# KiCad board norns_fork.kicad_pcb
title: Norns Syst Hat; date: 2022-06-17; rev: V2; company: Les Usines - Damien Skoraki
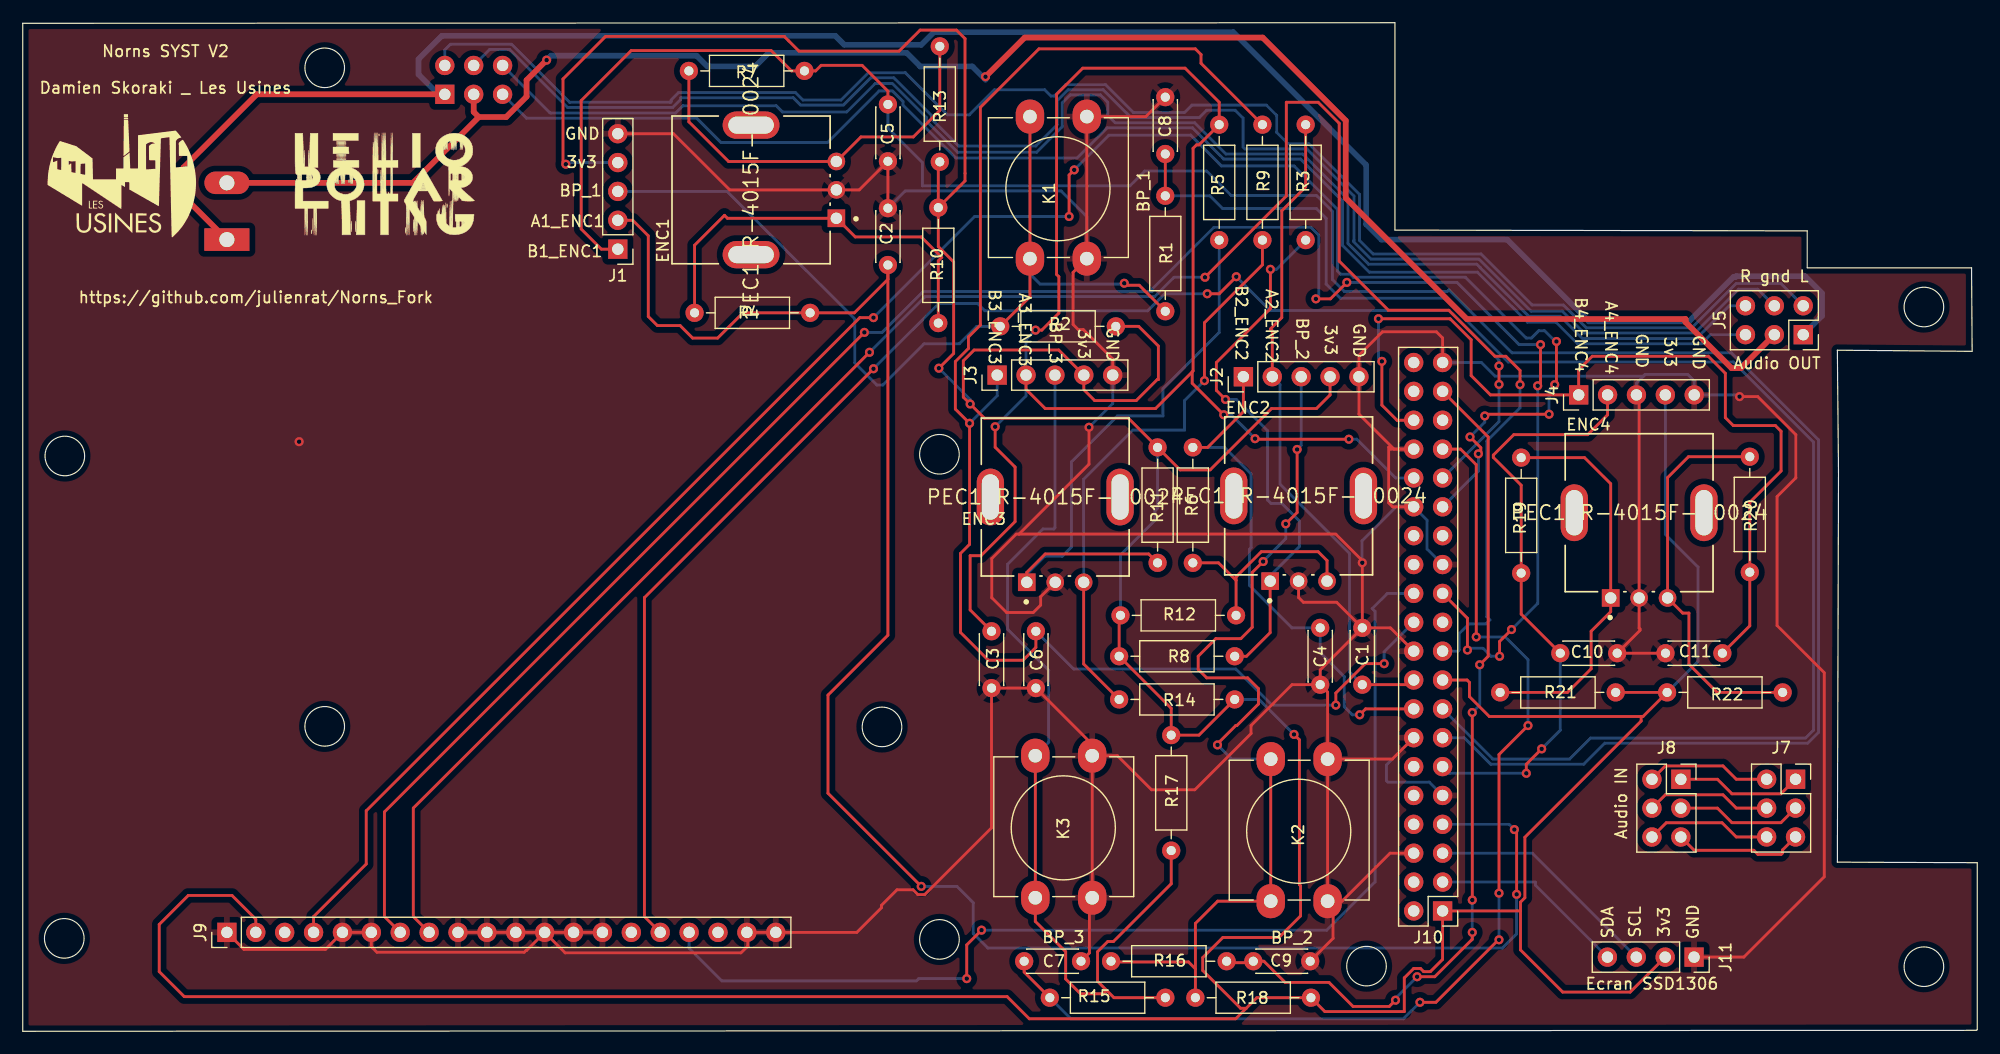
[diagram p0: board, top side]
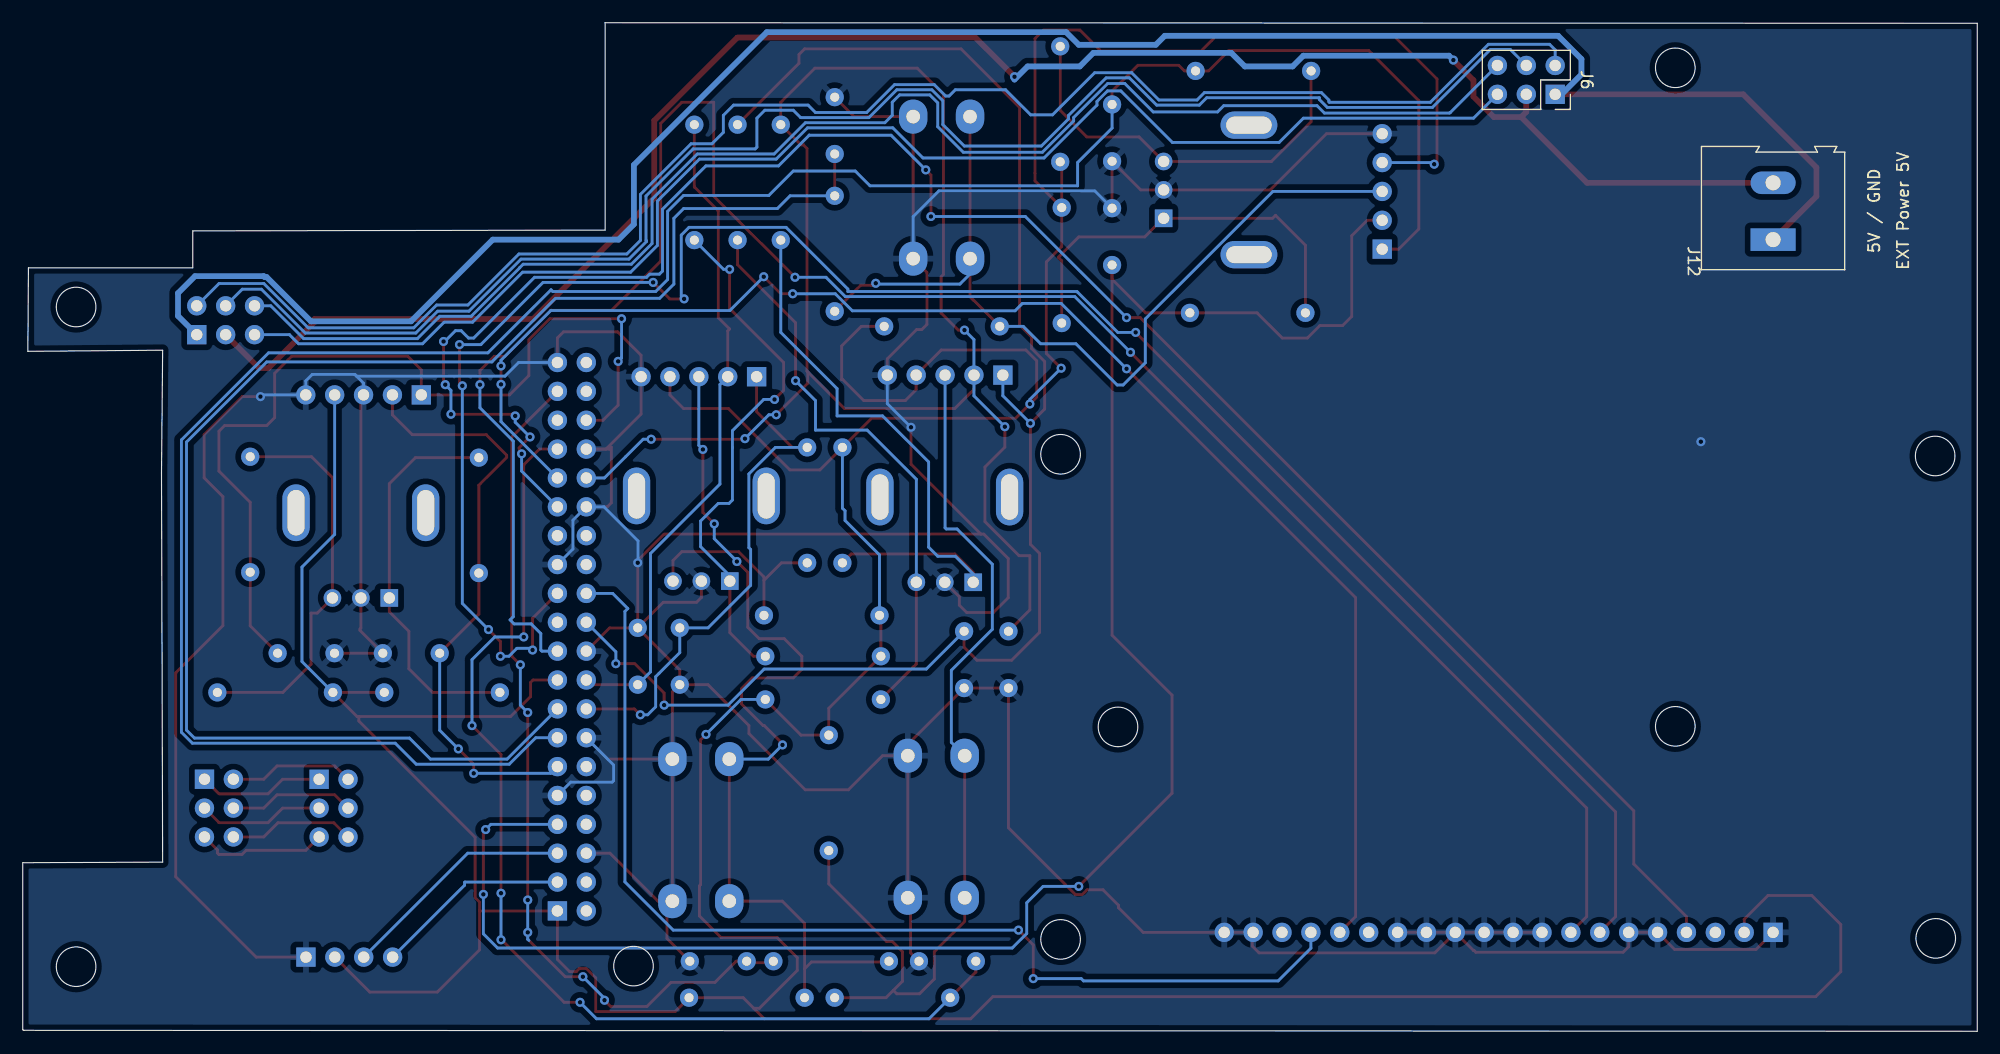
[diagram p1: board, bottom side, seen from below]

Outline 171.85 x 88.75 mm; copper layers: Top, Bottom. Coordinates in mm from the lower left corner of the outline.
Outline path: circle c3.65,8.17 r1.74 ; circle c3.7,50.62 r1.74 ; circle c26.55,84.78 r1.74 ; circle c26.55,26.83 r1.74 ; circle c75.55,26.78 r1.74 ; circle c80.6,50.77 r1.74 ; circle c80.6,8.08 r1.74 ; circle c118.15,5.73 r1.74 ; circle c167.16,63.73 r1.74 ; circle c167.16,5.68 r1.74 ; 0,88.7 120.65,88.75 120.65,70.5 156.9,70.43 156.9,67.18 171.35,67.18 171.4,59.83 159.55,59.93 159.65,49.13 159.55,14.88 171.85,14.83 171.85,0.13 171.75,0.08 0,0 0,88.7

## Placement (name value [footprint] x y rotation side)
C1  10nF  [C_Disc_D4.3mm_W1.9mm_P5.00mm]  117.78 35.5 270 top
C2  10nF  [C_Disc_D4.3mm_W1.9mm_P5.00mm]  76.07 72.43 270 top
C3  10nF  [C_Disc_D4.3mm_W1.9mm_P5.00mm]  85.18 30.2 90 top
C4  10nF  [C_Disc_D4.3mm_W1.9mm_P5.00mm]  114.08 35.5 270 top
C5  10nF  [C_Disc_D4.3mm_W1.9mm_P5.00mm]  76.07 81.56 270 top
C6  10nF  [C_Disc_D4.3mm_W1.9mm_P5.00mm]  89.08 35.2 270 top
C7  10nF  [C_Disc_D4.3mm_W1.9mm_P5.00mm]  93.05 6.16 180 top
C8  10nF  [C_Disc_D4.3mm_W1.9mm_P5.00mm]  100.46 82.2 270 top
C9  10nF  [C_Disc_D4.3mm_W1.9mm_P5.00mm]  113.2 6.16 180 top
C10  10nF  [C_Disc_D4.3mm_W1.9mm_P5.00mm]  140.19 33.27 180 top
C11  10nF  [C_Disc_D4.3mm_W1.9mm_P5.00mm]  149.44 33.27 180 top
ENC1  PEC11R-4015F-N0024  [Bourns-PEC11R-4015F-N0024-MFG]  64.04 74.04 90 top
ENC2  PEC11R-4015F-N0024  [Bourns-PEC11R-4015F-N0024-MFG]  112.18 47.11 0 top
ENC3  PEC11R-4015F-N0024  [Bourns-PEC11R-4015F-N0024-MFG]  90.78 47.01 0 top
ENC4  PEC11R-4015F-N0024  [Bourns-PEC11R-4015F-N0024-MFG]  142.12 45.63 0 top
J1  ENC_K1  [PinHeader_1x05_P2.54mm_Vertical]  52.32 68.83 180 top
J2  ENC_K2  [PinHeader_1x05_P2.54mm_Vertical]  107.33 57.6 90 top
J3  ENC_K3  [PinHeader_1x05_P2.54mm_Vertical]  85.67 57.74 90 top
J4  ENC_K4  [PinHeader_1x05_P2.54mm_Vertical]  136.81 56 90 top
J5  Conn_audio_headphone  [PinSocket_2x03_P2.54mm_Vertical]  156.55 61.3 270 top
J6  conn_headphone_up  [PinSocket_2x03_P2.54mm_Vertical]  37.11 82.45 270 bottom
J7  Conn_audio_INPUT  [PinSocket_2x03_P2.54mm_Vertical]  155.87 22.18 0 top
J8  conn_input_up  [PinSocket_2x03_P2.54mm_Vertical]  145.79 22.18 0 top
J9  ecran  [PinHeader_1x20_P2.54mm_Vertical]  17.95 8.7 90 top
J10  Raspberry_Pi_2_3  [PinHeader_2x20_P2.54mm_Vertical]  124.84 10.59 180 top
J11  Ecran_SSD1306  [PinSocket_1x04_P2.54mm_Vertical]  146.95 6.53 270 top
J12  Alim ext 5V  [TerminalBlock_Altech_AK300-2_P5.00mm]  17.95 69.66 90 bottom
K1  BP_K1  [SW_PUSH-12mm_Wuerth-430476085716]  93.56 80.49 270 top
K2  BP_K2  [SW_PUSH-12mm_Wuerth-430476085716]  114.73 23.95 270 top
K3  BP_K3  [SW_PUSH-12mm_Wuerth-430476085716]  94.03 24.25 270 top
R1  10k  [R_Axial_DIN0207_L6.3mm_D2.5mm_P10.16mm_Horizontal]  100.46 73.52 270 top
R2  10k  [R_Axial_DIN0207_L6.3mm_D2.5mm_P10.16mm_Horizontal]  85.95 62.03 0 top
R3  10k  [R_Axial_DIN0207_L6.3mm_D2.5mm_P10.16mm_Horizontal]  112.8 79.78 270 top
R4  10k  [R_Axial_DIN0207_L6.3mm_D2.5mm_P10.16mm_Horizontal]  69.23 63.22 180 top
R5  10k  [R_Axial_DIN0207_L6.3mm_D2.5mm_P10.16mm_Horizontal]  105.2 79.78 270 top
R6  10k  [R_Axial_DIN0207_L6.3mm_D2.5mm_P10.16mm_Horizontal]  102.88 51.38 270 top
R7  10k  [R_Axial_DIN0207_L6.3mm_D2.5mm_P10.16mm_Horizontal]  68.73 84.51 180 top
R8  10k  [R_Axial_DIN0207_L6.3mm_D2.5mm_P10.16mm_Horizontal]  106.56 33 180 top
R9  10k  [R_Axial_DIN0207_L6.3mm_D2.5mm_P10.16mm_Horizontal]  109 79.78 270 top
R10  10k  [R_Axial_DIN0207_L6.3mm_D2.5mm_P10.16mm_Horizontal]  80.5 62.32 90 top
R11  10k  [R_Axial_DIN0207_L6.3mm_D2.5mm_P10.16mm_Horizontal]  99.78 41.22 90 top
R12  10k  [R_Axial_DIN0207_L6.3mm_D2.5mm_P10.16mm_Horizontal]  106.68 36.6 180 top
R13  10k  [R_Axial_DIN0207_L6.3mm_D2.5mm_P10.16mm_Horizontal]  80.63 86.67 270 top
R14  10k  [R_Axial_DIN0207_L6.3mm_D2.5mm_P10.16mm_Horizontal]  96.4 29.2 0 top
R15  10k  [R_Axial_DIN0207_L6.3mm_D2.5mm_P10.16mm_Horizontal]  90.3 2.96 0 top
R16  10k  [R_Axial_DIN0207_L6.3mm_D2.5mm_P10.16mm_Horizontal]  105.85 6.16 180 top
R17  10k  [R_Axial_DIN0207_L6.3mm_D2.5mm_P10.16mm_Horizontal]  100.98 15.9 90 top
R18  10k  [R_Axial_DIN0207_L6.3mm_D2.5mm_P10.16mm_Horizontal]  103.11 2.96 0 top
R19  10k  [R_Axial_DIN0207_L6.3mm_D2.5mm_P10.16mm_Horizontal]  131.75 40.32 90 top
R20  10k  [R_Axial_DIN0207_L6.3mm_D2.5mm_P10.16mm_Horizontal]  151.85 40.4 90 top
R21  10k  [R_Axial_DIN0207_L6.3mm_D2.5mm_P10.16mm_Horizontal]  129.9 29.82 0 top
R22  10k  [R_Axial_DIN0207_L6.3mm_D2.5mm_P10.16mm_Horizontal]  154.74 29.82 180 top

## Library data of the parts
ENC1-ENC4 = -: automotive: No; category: Enc; current rating: 10mA; detent: No; device class L1: Electromechanical; device class L2: Switches; device class L3: Encoders; digikey description: ROTARY ENCODER MECHANICAL 24PPR; digikey part number: PEC11R-4015F-N0024-ND; encoder type: Incremental; height: 22.3mm; lead free: Yes; library id: 5eb90586fce7ecd6; manufacturer: Bourns; mouser description: Encoders 15mm SHAFT NO SWITCH; mouser part number: 652-PEC11R-4015F-N24; number of circuits: 1; package: PTH_ENC_12MM5_13MM4; pulses per rev: 24; rohs: Yes; temperature range high: +70°C; temperature range low: -30°C; voltage rating DC: 5V
K1-K3 = -: SKU: 311020024

## Footprints (pads in the part's own frame, mm; a bottom-side part is the same pattern mirrored in y, then rotated)
Bourns-PEC11R-4015F-N0024-MFG
  rrect 2.4x5 hole 1.5x4: 1(-5.7,0) 2(5.7,0)
  rect 1.55x1.55 hole 1: A(-2.5,-7.5)
  round 1.55 hole 1: B(2.5,-7.5) C(0,-7.5)
C_Disc_D4.3mm_W1.9mm_P5.00mm
  round 1.6 hole 0.8: 1(0,0) 2(5,0)
PinHeader_1x05_P2.54mm_Vertical
  rect 1.7x1.7 hole 1: 1(0,0)
  oval 1.7x1.7 hole 1: 2(0,-2.54) 3(0,-5.08) 4(0,-7.62) 5(0,-10.16)
PinHeader_1x20_P2.54mm_Vertical
  rect 1.7x1.7 hole 1: 1(0,0)
  oval 1.7x1.7 hole 1: 2(0,-2.54) 3(0,-5.08) 4(0,-7.62) 5(0,-10.16) 6(0,-12.7) 7(0,-15.24) 8(0,-17.78) 9(0,-20.32) 10(0,-22.86) 11(0,-25.4) 12(0,-27.94) 13(0,-30.48) 14(0,-33.02) 15(0,-35.56) 16(0,-38.1) 17(0,-40.64) 18(0,-43.18) 19(0,-45.72) 20(0,-48.26)
PinHeader_2x20_P2.54mm_Vertical
  rect 1.7x1.7 hole 1: 1(0,0)
  oval 1.7x1.7 hole 1: 2(2.54,0) 3(0,-2.54) 4(2.54,-2.54) 5(0,-5.08) 6(2.54,-5.08) 7(0,-7.62) 8(2.54,-7.62) 9(0,-10.16) 10(2.54,-10.16) 11(0,-12.7) 12(2.54,-12.7) 13(0,-15.24) 14(2.54,-15.24) 15(0,-17.78) 16(2.54,-17.78) 17(0,-20.32) 18(2.54,-20.32) 19(0,-22.86) 20(2.54,-22.86) 21(0,-25.4) 22(2.54,-25.4) 23(0,-27.94) 24(2.54,-27.94) 25(0,-30.48) 26(2.54,-30.48) 27(0,-33.02) 28(2.54,-33.02) 29(0,-35.56) 30(2.54,-35.56) 31(0,-38.1) 32(2.54,-38.1) 33(0,-40.64) 34(2.54,-40.64) 35(0,-43.18) 36(2.54,-43.18) 37(0,-45.72) 38(2.54,-45.72) 39(0,-48.26) 40(2.54,-48.26)
PinSocket_1x04_P2.54mm_Vertical
  rect 1.7x1.7 hole 1: 1(0,0)
  oval 1.7x1.7 hole 1: 2(0,-2.54) 3(0,-5.08) 4(0,-7.62)
PinSocket_2x03_P2.54mm_Vertical
  rect 1.7x1.7 hole 1: 1(0,0)
  oval 1.7x1.7 hole 1: 2(-2.54,0) 3(0,-2.54) 4(-2.54,-2.54) 5(0,-5.08) 6(-2.54,-5.08)
R_Axial_DIN0207_L6.3mm_D2.5mm_P10.16mm_Horizontal
  round 1.6 hole 0.8: 1(0,0)
  oval 1.6x1.6 hole 0.8: 2(10.16,0)
SW_PUSH-12mm_Wuerth-430476085716
  oval 3x2.5 hole 1.2: 1(0,0) 1(12.5,0) 2(0,-5) 2(12.5,-5)
TerminalBlock_Altech_AK300-2_P5.00mm
  rect 1.98x3.96 hole 1.32: 1(0,0)
  oval 1.98x3.96 hole 1.32: 2(5,0)

## Nets
+3V3: J1.4 J2.4 J3.4 J4.4 J9.2 J10.1 J10.17 J11.2 R2.2 R8.2 R10.2 R11.2 R12.2 R13.2 R14.2 R17.2 R18.2 R21.2 R22.2
GND: C1.1 C2.1 C3.1 C4.2 C5.2 C6.2 C7.1 C8.1 C9.1 C10.1 C11.2 ENC1.C ENC2.C ENC3.C ENC4.C J1.5 J2.5 J3.5 J4.3 J4.5 J9.1 J9.5 J9.6 J9.9 J9.10 J9.11 J9.12 J9.13 J9.14 J9.19 J9.20 J10.6 J10.9 J10.14 J10.20 J10.25 J10.30 J10.34 J10.39 J11.1 K1.1 K2.1 K3.1
A1_ENC1: C2.2 J1.2 J10.7 R4.1
A2_ENC2: C1.2 J2.2 J10.18 R3.1
A3_ENC3: C3.2 J3.2 J10.32 R5.1
A4_ENC4: C10.2 J4.2 J10.11 R19.1
B1_ENC1: C5.1 J1.1 J10.13 R7.1
B2_ENC2: C4.1 J2.1 J10.16 R6.1
B3_ENC3: C6.1 J3.1 J10.22 R9.1
B4_ENC4: C11.1 J4.1 J10.36 R20.1
BP_1: J1.3 K1.2 R1.2 R2.1
BP_2: J2.3 K2.2 R16.2 R18.1
BP_3: J3.3 K3.2 R15.2 R17.1
INPUT_5V: J5.1 J6.1 J12.1
INPUT_GND: J5.3 J6.3 J12.2
K1_BP: C8.2 J10.15 R1.1
K2_BP: C9.2 J10.37 R16.1
K3_BP: C7.2 J10.33 R15.1
oled_CE0: J9.17 J10.24
oled_DC: J9.4 J10.29
oled_MOSI: J9.8 J10.19
oled_RESET: J9.16 J10.31
oled_SCK: J9.7 J10.23
SCL: J10.5 J11.3
SDA: J10.3 J11.4
Net-(ENC1-PadA): ENC1.A R4.2 R10.1
Net-(ENC1-PadB): ENC1.B R7.2 R13.1
Net-(ENC2-PadA): ENC2.A R3.2 R8.1
Net-(ENC2-PadB): ENC2.B R6.2 R12.1
Net-(ENC3-PadA): ENC3.A R5.2 R11.1
Net-(ENC3-PadB): ENC3.B R9.2 R14.1
Net-(ENC4-PadA): ENC4.A R19.2 R21.1
Net-(ENC4-PadB): ENC4.B R20.2 R22.1
Net-(J5-Pad2): J5.2 J6.2
Net-(J5-Pad4): J5.4 J6.4
Net-(J5-Pad5): J5.5 J6.5
Net-(J5-Pad6): J5.6 J6.6
Net-(J7-Pad1): J7.1 J8.1
Net-(J7-Pad2): J7.2 J8.2
Net-(J7-Pad3): J7.3 J8.3
Net-(J7-Pad4): J7.4 J8.4
Net-(J7-Pad5): J7.5 J8.5
Net-(J7-Pad6): J7.6 J8.6

Pads without a net: ENC1 1 2; ENC2 1 2; ENC3 1 2; ENC4 1 2; J9 3 15 18; J10 2 4 8 10 12 21 26 27 28 35 38 40

## Via types
v1: diameter 0.8, hole 0.4, Top to Bottom, 72 vias

## Routing (per net, layer and track width the routed paths; a pad name or vN(x,y) marks a point on that pad's centre or on a via; arc(x,y) is an arc through that point)
+3V3: length 478.5
  Top w0.25: J11.2 141.33,3.45 135.4,3.45 131.69,7.16 131.69,10.59 ; 131.69,10.59 J10.1 124.84,6.32 123.77,5.25 123.18,5.25 122.9,5.52 122.3,5.52 121.47,4.7 121.47,1.73 114.49,1.73 R18.2 108.51,2.96 107.58,2.03 ; 131.69,10.59 131.69,11.37 132.07,11.75 132.07,17.07 142.3,27.3 142.3,27.7 ; R2.2 98.12,62.03 99.85,60.3 99.85,57.35 99.75,57.35 97.9,55.5 94.25,55.5 93.3,56.46 J3.4 91.09,59.95 83.65,59.95 82.7,59 82.7,55.8 v1(83.3,55.2) 84.55,53.95 97.21,53.95 R11.2 101.76,49.4 104.4,49.4 109.8,54.8 113.75,54.8 114.95,56 J2.4 ; R10.2 80.5,76.38 R13.2 ; R10.2 82.85,74.83 82.85,87.35 82.1,88.1 78.9,88.1 77.05,86.25 68.25,86.25 66.95,87.55 51.25,87.55 47.5,83.8 47.5,76.5 47.7,76.3 v1(47.75,76.3) ; R10.2 80.5,69.05 81.85,67.7 81.85,59.65 v1(80.55,58.35) ; 107.58,2.03 107.08,2.03 103.75,5.35 103.75,6.48 105.52,8.25 110.45,8.25 112.35,10.15 112.35,12.8 112.25,12.9 112.25,25.65 v1(111.77,26.12) ; 107.58,2.03 106.65,1.1 88.5,1.1 86.55,3.05 14.2,3.05 12,5.25 12,9.4 14.55,11.95 18.4,11.95 20.49,9.86 J9.2 ; R12.2 96.4,36.48 R8.2 100.98,28.42 R17.2 103.42,26.06 R14.2 ; R21.2 R22.2 142.46,27.7 142.3,27.7 ; 142.3,27.7 128.95,27.7 127.2,29.45 127.2,30.7 126.99,30.91 J10.17
  Bottom w0.25: v1(80.55,58.35) 83.3,55.6 v1(83.3,55.2) ; J1.4 47.9,76.45 v1(47.75,76.3) ; R12.2 96.52,41.92 99.55,44.95 99.55,45.8 99.78,46.03 R11.2 ; R14.2 108.7,29.2 v1(111.77,26.12) 111.9,26 ; J4.4 144.43,43.73 147.3,40.85 147.3,32.54 R22.2
GND: length 552.4
  Top w0.25: K3.1 K3.1 93.79,11.51 93.79,6.9 C7.1 ; K3.1 96.25,24.25 99.25,21.25 103.05,21.25 108,26.2 108,26.9 111.6,30.5 C4.2 ; K3.1 94.03,25.25 C6.2 C3.1 85.18,17.91 79.3,12.03 78.7,12.03 78.28,12.45 76.87,12.45 75.5,11.09 75.5,10.87 73.33,8.7 66.21,8.7 J9.20 66.21,8.7 63.75,8.7 ; K2.1 116,11.45 120.22,15.67 J10.6 ; K2.1 K2.1 ; K2.1 115.21,10.97 115.21,8.17 C9.1 ; J9.12 47.69,6.9 63.15,6.9 63.75,7.5 63.75,8.7 ; J9.12 J9.13 J9.14 ; J9.12 J9.11 J9.10 J9.9 ; J9.12 44.29,7.1 44.24,7.1 44.09,6.95 31.14,6.95 30.65,7.44 J9.6 J9.5 26.61,7.2 19.45,7.2 J9.1 ; J10.39 124.84,61.01 124.3,61.55 119.55,61.55 117.48,59.48 J2.5 117.48,54.32 120.57,51.23 J10.34 120.27,51.23 120.1,51.4 120.1,46.5 120.45,46.15 J10.30 ; 87.6,43.75 87.35,43.75 85.2,41.6 85.2,38.15 86.5,36.85 88.85,36.85 89.5,37.5 89.5,38.23 ENC3.C ; 87.6,43.75 115.45,43.75 117.78,41.42 v1(117.78,41.23) C1.1 ; 87.6,43.75 93.75,49.9 v1(93.75,53.15) ; J10.20 120.25,35.5 C1.1 ; C4.2 114.73,29.85 K2.1 ; C4.2 114.08,31.8 C1.1 ; 63.75,8.7 63.67,8.7 J9.19 ; J11.1 151.32,6.53 158.4,13.6 158.4,31.55 154.25,35.7 154.25,47.05 155.9,48.7 155.9,52.5 152.55,55.85 v1(150.95,55.85) ; J3.5 95.83,59.17 93.25,61.75 92.8,61.75 92.35,62.2 92.35,66.78 K1.1 K1.1 98.75,80.49 C8.1 ; K2.1 120.42,23.95 J10.14 ; ENC2.C 112.18,38.17 112.6,37.75 115.53,37.75 C1.1 ; J4.3 142.12,55.77 ENC4.C 142.12,35.48 142.2,35.4 142.2,35.28 C10.1 C11.2 ; C2.1 C5.2 73.55,74.04 ENC1.C 62.16,74.04 57.22,78.99 J1.5
  Bottom w0.25: J3.5 95.83,55.23 v1(93.75,53.15) ; 142.65,57.8 142.5,57.65 129.45,57.65 128.25,58.85 J10.39 ; 142.65,57.8 141.88,57.04 J4.3 ; 142.65,57.8 146.4,57.8 146.97,57.23 J4.5 150.8,56 v1(150.95,55.85) ; C2.1 77.59,73.95 91.3,73.95 93.56,71.69 K1.1 ; J10.9 123.67,21.92 120.03,21.92 119.9,22.05 119.9,23.43 J10.14 ; v1(117.78,41.23) 117.75,41.26 117.75,43.15 120.75,46.15 J10.30 123.47,44.98 123.47,42.44 J10.25
  vias: v1(24.3,51.88)
A1_ENC1: length 168.3
  Top w0.25: J1.2 53.64,71.37 55,70 55,62.9 55.8,62.1 57.8,62.1 58.9,61 61.1,61 63.32,63.22 R4.1 73.12,63.22 76.07,66.17 C2.2 76.07,34.85 70.8,29.58 70.8,20.95 v1(79,12.75) ; v1(131.15,17.75) 131.35,17.55 v1(131.35,12.05)
  Bottom w0.25: v1(131.15,17.75) 130.69,18.21 J10.7 ; v1(79,12.75) 82.13,12.75 83.58,11.31 83.58,8.6 84.85,7.33 130.1,7.33 131.35,8.58 v1(131.35,12.05)
A2_ENC2: length 58.6
  Top w0.25: R3.1 112.8,74.3 110.7,72.2 110.7,62.8 109.7,61.8 109.86,61.64 J2.2 ; C1.2 121.89,30.5 J10.18
  Bottom w0.25: C1.2 116.66,31.62 116.66,42.04 110.55,48.15 110.55,56.92 J2.2
A3_ENC3: length 136.8
  Top w0.25: 102.83,58.03 102.9,58.1 102.9,77.7 103.2,78 103.42,78 R5.1 105.2,81.75 102.2,84.75 93.2,84.75 90.9,82.45 90.9,66.6 91.1,66.4 91.1,63.2 89.6,61.7 v1(89.05,61.7) ; 102.83,58.03 102.83,57.03 v1(105.6,54.25) ; 102.83,58.03 99.6,54.8 89.9,54.8 88.22,56.48 J3.2 ; C3.2 83.3,37.08 83.3,41.85 84.25,41.85 87.25,44.85 87.25,49.65 85.5,51.4 v1(85.5,53.2) ; v1(108.35,52.15) 108.4,52.1 v1(116.6,52.1)
  Bottom w0.25: v1(105.6,54.25) 106.25,54.25 v1(108.35,52.15) ; v1(89.05,61.7) 88.22,60.87 J3.2 88.22,55.92 v1(85.5,53.2) ; v1(116.6,52.1) 117.3,52.1 120.71,48.69 J10.32
A4_ENC4: length 52.6
  Top w0.25: v1(132.2,22.7) 132.2,23.5 v1(133.55,24.85) ; J4.2 139.35,54.25 137.6,52.5 131.1,52.5 129.3,50.7 129.3,50.5 131.75,48.05 R19.1 131.75,36.71 C10.2
  Bottom w0.25: v1(133.55,24.85) 135.19,26.49 C10.2 ; J10.11 125.43,22.7 v1(132.2,22.7)
B1_ENC1: length 209.2
  Top w0.25: C5.1 76.07,82.73 73.8,85 70.2,85 69.71,84.51 R7.1 67.59,84.51 65.8,86.3 53.5,86.3 49.1,81.9 49.1,70.6 50.88,68.83 J1.1
  Bottom w0.25: C5.1 76.07,79.48 79.1,76.45 79.1,74.4 97.35,74.4 98.65,75.7 104.1,75.7 106.25,73.55 113.75,73.55 115.15,72.15 115.15,66.15 116.2,65.1 125.25,65.1 125.4,65.25 130.95,59.7 150.24,59.7 157.9,52.04 157.9,26.31 156.94,25.35 139.1,25.35 137.25,23.5 129.07,23.5 126.74,25.83 J10.13
B2_ENC2: length 47
  Top w0.25: v1(117.55,27.85) 118.07,28.37 J10.16 ; J2.1 107.33,54.53 104.18,51.38 R6.1
  Bottom w0.25: v1(117.55,27.85) 116.9,27.85 116.2,28.55 116.2,31.2 114.08,33.32 C4.1 111.59,35.5 107.85,39.24 107.85,42.4 108,42.55 108,49.04 105.67,51.38 R6.1
B3_ENC3: length 133.1
  Top w0.25: R9.1 103.6,85.18 103.6,85.95 103.1,86.45 89.35,86.45 84.2,81.3 84.2,62.15 83.15,61.1 83.15,60.09 82,58.94 82,54.75 v1(83.25,53.5) 83.25,42.85 82.45,42.05 82.45,35.1 84.9,32.65 87.95,32.65 89.08,33.78 C6.1 ; v1(115.45,28.7) 115.45,29.76 118.04,32.35 v1(119.7,32.35)
  Bottom w0.25: J3.1 85.67,55.93 v1(83.25,53.5) ; C6.1 92.4,31.88 106.66,31.88 109.84,28.7 v1(115.45,28.7) ; J10.22 119.7,33.39 v1(119.7,32.35)
B4_ENC4: length 80.5
  Top w0.25: v1(119.2,62.7) 125.5,62.7 127.35,60.85 127.35,57.7 129.05,56 J4.1 136.81,58.21 138,59.4 148.2,59.4 149.7,57.9 149.7,54 150.4,53.3 154.1,53.3 154.6,52.8 154.6,49.3 151.85,46.55 R20.1 151.85,35.68 C11.1 ; v1(119.5,58.95) 119.5,55.1 120.83,53.77 J10.36
  Bottom w0.25: v1(119.2,62.7) 119.2,59.25 v1(119.5,58.95)
BP_1: length 79.3
  Top w0.25: R1.2 98.17,65.65 97.02,65.65 v1(96.85,65.82) ; K1.2 K1.2 88.56,64.64 R2.1
  Bottom w0.25: R2.1 83.88,62.03 82.35,60.5 79.25,60.5 75.62,56.87 75.1,56.87 73.15,58.82 73.15,62.68 61.93,73.91 J1.3 ; v1(96.85,65.82) 96.78,65.75 89.45,65.75 88.56,66.64 K1.2
BP_2: length 82.7
  Top w0.25: 103.11,5.5 102.5,6.1 95.75,6.1 R16.2 ; 103.11,5.5 R18.1 ; 103.11,5.5 103.11,9.49 105.07,11.45 K2.2 K2.2 ; v1(111.05,44.65) 112.05,45.65 v1(112.05,51.2) ; v1(109.06,41.34) 108.1,40.38 108.1,35.55 107.1,34.55 104.9,34.55 103.35,33 103.35,31.85 104.1,31.1 107.7,31.1 108.65,30.15 108.65,28.8 106.75,26.9 106.65,26.9 105.05,25.3 v1(105.05,25.2)
  Bottom w0.25: v1(105.05,25.2) 106.3,23.95 K2.2 ; J2.3 112.41,51.56 v1(112.05,51.2) ; v1(111.05,44.65) 111.05,43.35 109.05,41.35 v1(109.06,41.34)
BP_3: length 83.8
  Top w0.25: K3.2 K3.2 89.03,9.67 91.7,7 91.7,4.6 93,3.3 95,3.3 95.3,3.6 ; 95.3,3.6 95.95,2.96 R15.2 ; 95.3,3.6 94.5,4.4 94.5,7 95.4,7.9 95.9,7.9 100.98,12.98 R17.1
  Bottom w0.25: J3.3 90.76,44.31 90.65,44.2 89.7,44.2 86.6,41.1 86.6,35.37 90.2,31.77 90.2,25.42 K3.2
INPUT_5V: length 183.2
  Top w0.5: J12.1 14.14,73.47 14.14,76.01 20.58,82.45 J6.1
  Bottom w0.5: J5.1 158.2,62.95 158.2,64.95 156.7,66.45 150.66,66.45 150.59,66.37 150.41,66.37 146.51,62.47 137.71,62.47 130.52,69.66 119.46,69.66 118.12,71.01 118.12,76.23 106.43,87.92 80.11,87.92 79,86.81 72.23,86.81 71.44,87.6 36.85,87.6 34.8,85.55 34.8,84.2 36.55,82.45 J6.1
INPUT_GND: length 164.7
  Top w0.5: J6.3 39.65,80.9 40.1,80.45 ; J12.2 34.31,74.66 40.1,80.45 ; 40.1,80.45 42.5,80.45 44.3,82.25 44.3,83.7 v1(46.06,85.46) ; J5.3 151.06,58.35 150.25,58.35 146.2,62.4 146.2,62.68 126.97,62.68 116.32,73.32 116.32,80.14 109.02,87.44 88.09,87.44 v1(84.65,84)
  Bottom w0.5: v1(46.06,85.46) 46.45,85.85 59.25,85.85 60.2,84.9 64.4,84.9 65.59,86.1 77.71,86.1 78.91,84.9 83.5,84.9 84.65,83.75 v1(84.65,84)
K1_BP: length 133.9
  Top w0.25: C8.2 R1.1
  Bottom w0.25: J10.15 129.26,23.95 136,23.95 137.85,25.8 156.75,25.8 157.45,26.5 157.45,51.85 150.4,58.9 130.6,58.9 125,64.5 115.85,64.5 114.6,65.75 114.6,71.54 113.74,72.4 105.5,72.4 104.38,73.52 R1.1
K2_BP: length 77.1
  Top w0.25: v1(127.45,28.05) v1(127.45,11.55) ; J10.37 128.85,52.3 128.85,33 v1(128.1,32.25) ; R16.1 105.98,6.03 108.07,6.03 C9.2 109.13,6.16 110.99,4.3 114.85,4.3 116.97,2.18 120.15,2.18 v1(120.7,2.73) ; v1(127.45,8.7) 127.45,8.1 124.15,4.8 v1(122.6,4.8)
  Bottom w0.25: v1(120.7,2.73) 120.7,2.9 v1(122.6,4.8) ; v1(127.45,11.55) v1(127.45,8.7) 127.45,8.1 127.35,8 ; v1(127.45,28.05) 128.1,28.7 v1(128.1,32.25)
K3_BP: length 97.1
  Top w0.25: v1(132.35,26.9) 129.8,24.35 v1(129.8,12.15) ; v1(129.8,8.05) 129.75,8.05 124.25,2.55 v1(122.85,2.55) ; v1(127.8,34.7) 127.8,49.85 126.42,51.23 J10.33 ; R15.1 88.05,5.21 C7.2
  Bottom w0.25: R15.1 92.16,1.1 121.4,1.1 v1(122.85,2.55) ; v1(127.8,34.7) 130.35,34.7 132.35,32.7 v1(132.35,26.9) ; v1(129.8,8.05) v1(129.8,12.15)
oled_CE0: length 96.6
  Top w0.25: v1(84.3,8.9) 83,7.6 v1(83,4.63)
  Bottom w0.25: J10.24 119.98,38.53 118.65,37.2 118.9,36.95 118.9,13.15 114.66,8.9 v1(84.3,8.9) ; v1(83,4.63) 78.78,4.63 78.58,4.43 61.47,4.43 58.59,7.31 J9.17
oled_DC: length 178
  Top w0.25: v1(134.2,54.3) 128.7,54.3 v1(128.55,54.15) ; v1(134.7,56.9) 134.85,57.05 v1(134.85,60.7) ; J9.4 25.57,10.09 30.2,14.72 30.2,19.4 73.6,62.8 v1(74.8,62.8) ; v1(92.45,75.8) 92,75.35 v1(92,71.7) ; v1(127.25,52.3) 128.2,51.35 128.2,51 128.01,50.81 v1(127.99,50.81)
  Bottom w0.25: J10.29 127.99,49.3 v1(127.99,50.81) ; v1(128.55,54.15) 128.55,53.6 v1(127.25,52.3) ; v1(134.7,56.9) 134.2,56.4 v1(134.2,54.3) ; 102.7,78.85 102.7,78.87 ; 102.7,78.85 105.4,76.15 111.79,76.15 115.6,72.34 115.6,66.9 115.87,66.62 116.73,66.62 117,66.35 126.85,66.35 132.2,61 132.65,61 133.3,61.65 133.8,61.65 134.75,60.7 v1(134.85,60.7) ; 102.7,78.85 95.5,78.85 v1(92.45,75.8) ; v1(92,71.7) 83.7,71.7 v1(74.8,62.8)
oled_MOSI: length 185.7
  Top w0.25: v1(131.65,56.9) 131.65,58.15 130.4,59.4 129.44,59.4 125.39,63.45 120.07,63.45 115.75,67.77 115.75,79.9 113.9,81.75 111.1,81.75 111.1,73.5 v1(103.95,66.35) ; v1(74.45,59.75) 34.34,19.64 34.34,10.09 J9.8
  Bottom w0.25: v1(74.45,59.75) 79.35,64.65 99.52,64.65 101.22,66.35 v1(103.95,66.35) ; J10.19 126.2,33.45 126.3,33.55 126.3,35 127.15,35.85 128.65,35.85 129,36.2 128.72,36.48 128.72,51.93 131.65,54.86 v1(131.65,56.9)
oled_RESET: length 132.9
  Top w0.25: v1(106.7,66.4) 105.2,64.9 v1(104.15,64.9) ; v1(74.8,58.3) 54.66,38.16 54.66,10.09 J9.16 ; v1(129.8,58.55) v1(129.8,56.93)
  Bottom w0.25: J10.31 129.8,53.65 v1(129.8,56.93) ; v1(74.8,58.3) 80.55,64.05 83.95,64.05 84.6,63.4 98.91,63.4 100.41,64.9 v1(104.15,64.9) ; v1(106.7,66.4) 109.68,63.42 125.43,63.42 129.8,59.05 v1(129.8,58.55)
oled_SCK: length 181.3
  Top w0.25: v1(113.7,64.45) 114.98,64.45 v1(116.43,65.9) ; v1(127.02,33.55) 127.02,36.35 J10.23 ; v1(74,61.5) 31.8,19.3 31.8,10.09 J9.7 ; v1(133.45,60.42) 133.45,57.05 v1(133.2,56.8) ; v1(129.85,33) 129.85,34.3 v1(130.9,35.35)
  Bottom w0.25: v1(129.85,33) 129.1,33 128.4,33.7 127.17,33.7 v1(127.02,33.55) ; v1(133.45,60.42) 131.58,60.42 126.1,65.9 116.43,65.9 v1(116.43,65.9) ; v1(130.9,35.35) 133.2,37.65 v1(133.2,56.8) ; v1(74,61.5) 75.56,61.5 79.16,65.1 99.3,65.1 99.3,65.31 104.73,70.74 113.27,70.74 113.95,70.06 113.95,64.7 v1(113.7,64.45)
SCL: length 20.8
  Bottom w0.25: J10.5 132.73,15.67 J11.3
SDA: length 17.4
  Bottom w0.25: J11.4 133,12.86 133,13.1 132.97,13.13 J10.3
Net-(ENC1-PadA): length 36.2
  Top w0.25: R4.2 59.07,69.17 61.7,71.8 61.96,71.54 ENC1.A 71.56,71.54 73.2,69.9 79,69.9 80.8,68.1 80.5,67.8 R10.1
Net-(ENC1-PadB): length 35.5
  Top w0.25: R7.2 58.57,80.03 62.06,76.54 ENC1.B 73.7,78.7 78.3,78.7 80.63,81.03 R13.1
Net-(ENC2-PadA): length 47.3
  Top w0.25: ENC2.A 109.68,35.08 107.6,33 R8.1 ; v1(109.7,67.05) 109.7,63.6 104.95,58.85 104.95,56.4 v1(105.75,55.6)
  Bottom w0.25: v1(105.75,55.6) 106.7,55.6 109.45,52.85 109.45,46.75 109.75,46.45 110.7,46.45 112.25,44.9 112.25,42.65 109.68,40.08 ENC2.A ; v1(109.7,67.05) 110.23,67.05 R3.2
Net-(ENC2-PadB): length 18.9
  Top w0.25: 106.68,39.68 R12.1 ; 106.68,39.68 106.68,39.98 108.9,42.2 113.9,42.2 114.68,41.42 ENC2.B ; 106.68,39.68 105.14,41.22 R6.2
Net-(ENC3-PadA): length 53.7
  Top w0.25: R11.1 99,42 89.9,42 88.28,40.38 ENC3.A
  Bottom w0.25: R5.2 105.2,61.5 100.25,56.55 100.25,54.15 96.25,54.15 92.2,50.1 92.2,42.6 91.4,41.8 89.85,41.8 88.28,40.23 ENC3.A
Net-(ENC3-PadB): length 50.9
  Top w0.25: R14.1 93.28,32.32 ENC3.B ; v1(103.9,57.25) 103.9,62.35 109,67.45 R9.2
  Bottom w0.25: v1(103.9,57.25) 102.15,55.5 102.15,52.9 97.6,52.9 93.28,48.58 ENC3.B
Net-(ENC4-PadA): length 34.7
  Top w0.25: R19.2 137.32,50.48 139.62,48.18 ENC4.A 139.62,36.92 137.9,35.2 137.9,31.9 135.82,29.82 R21.1
Net-(ENC4-PadB): length 34.8
  Top w0.25: R22.1 148.98,29.82 146.5,32.3 146.5,36.8 145.95,36.8 ENC4.B 144.62,48.72 146.46,50.56 R20.2
Net-(J5-Pad2): length 143
  Bottom w0.25: J6.2 37.11,86.36 37.6,86.85 42.99,86.85 48.09,81.75 56.96,81.75 57.01,81.79 57.01,81.94 57.66,82.6 67.95,82.6 68.6,81.95 71.95,81.95 74.35,84.35 77.6,84.35 81.31,80.64 83.23,80.64 85.44,82.85 89.85,82.85 90.4,82.3 90.7,82.3 91.7,83.3 95.2,83.3 97.65,80.85 102.15,80.85 102.8,81.5 109.35,81.5 110.25,80.6 110.25,79.1 111.25,78.1 113.09,78.1 117.54,73.64 117.54,69.59 118.74,68.4 128.22,68.4 132.71,63.91 135.46,63.91 137.47,61.9 146.75,61.9 150.65,65.8 154.59,65.8 J5.2
Net-(J5-Pad4): length 140.2
  Bottom w0.25: J5.4 152.55,65.3 150.86,65.3 147.01,61.44 137.29,61.44 135.37,63.37 132.62,63.37 128.04,67.95 118.55,67.95 117,69.5 117,69.55 117.05,69.6 117.05,73.5 112.9,77.65 107.45,77.65 107.3,77.8 107.3,80.35 106.6,81.05 104.1,81.05 103.45,80.4 97.45,80.4 95,82.85 91.91,82.85 90.95,81.89 90.95,79.79 89.06,77.9 82.29,77.9 79.9,80.29 79.9,80.59 76.59,83.9 74.55,83.9 72.15,81.5 68.4,81.5 67.75,82.15 57.85,82.15 57.85,82 57.15,81.3 47.9,81.3 42.8,86.4 41.06,86.4 J6.4
Net-(J5-Pad5): length 127.1
  Bottom w0.25: J5.5 148.4,61.3 147.6,60.5 136.7,60.5 134.8,62.4 132.3,62.4 127.9,66.8 118.4,66.8 116.05,69.15 116.05,73.05 112.35,76.75 105.6,76.75 102.85,79.5 95.35,79.5 92.7,76.85 82.05,76.85 77.4,81.5 77.4,81.82 76.47,82.75 75.3,82.75 70.77,78.22 61.38,78.22 59.25,80.35 44.29,80.35 J6.5
Net-(J5-Pad6): length 131.6
  Bottom w0.25: J5.6 150.04,63.84 147.15,60.95 137.15,60.95 135.18,62.92 132.42,62.92 128.15,67.19 128.15,67.2 127.85,67.5 118.34,67.5 116.52,69.32 116.52,73.22 112.54,77.2 105.79,77.2 103.04,79.95 96.05,79.95 95.4,80.6 95.4,81.75 94.75,82.4 92.1,82.4 91.4,81.7 91.4,79.6 89.15,77.35 82.2,77.35 79.45,80.1 79.45,80.41 76.46,83.4 74.95,83.4 72.45,80.9 66.8,80.9 66.25,81.45 58.05,81.45 57.4,80.8 46.4,80.8 46.35,80.85 46.33,80.85 J6.6
Net-(J7-Pad1): length 11.1
  Top w0.25: J8.1 149,22.18 150.28,20.89 154.59,20.89 J7.1
Net-(J7-Pad2): length 11.1
  Top w0.25: J7.2 150.66,22.18 149.49,23.35 144.42,23.35 J8.2
Net-(J7-Pad3): length 11.1
  Top w0.25: J7.3 154.59,18.35 150.28,18.35 149,19.64 J8.3
Net-(J7-Pad4): length 11.1
  Top w0.25: J8.4 144.42,20.81 149.49,20.81 150.66,19.64 J7.4
Net-(J7-Pad5): length 11.5
  Top w0.25: J7.5 154.73,15.96 154.73,15.69 154.6,15.56 152.57,15.56 152.21,15.93 146.96,15.93 J8.5
Net-(J7-Pad6): length 11.1
  Top w0.25: J7.6 150.66,17.1 149.41,18.35 144.5,18.35 J8.6

## Copper pours and planes (outline as drawn; the poured copper is in the pictures)
GND on Top, Bottom: 120.35,70.33 156.6,70.33 156.6,66.83 170.85,66.83 170.85,60.08 159.35,60.08 159.35,14.58 171.6,14.58 171.6,0.33 0.1,0.33 0.1,88.58 120.35,88.58

## Text on the board
B.Silkscreen: EXT Power 5V | 5V / GND
User.Drawings: 1 | 13 | A | N | K | E | 5 | 11
F.Silkscreen: Norns SYST V2 / Damien Skoraki _ Les Usines | https://github.com/julienrat/Norns_Fork | B1_ENC1 | A1_ENC1 | BP_1 | 3v3 | GND | BP_3 | BP_2 | Ecran SSD1306 | R gnd L | Audio OUT | SDA | Audio IN | SCL | B3_ENC3 | A3_ENC3 | B2_ENC2 | A2_ENC2 | B4_ENC4 | A4_ENC4
